# Allegro board Microroc_Hardroc2b_Test_Board.brd (continued)
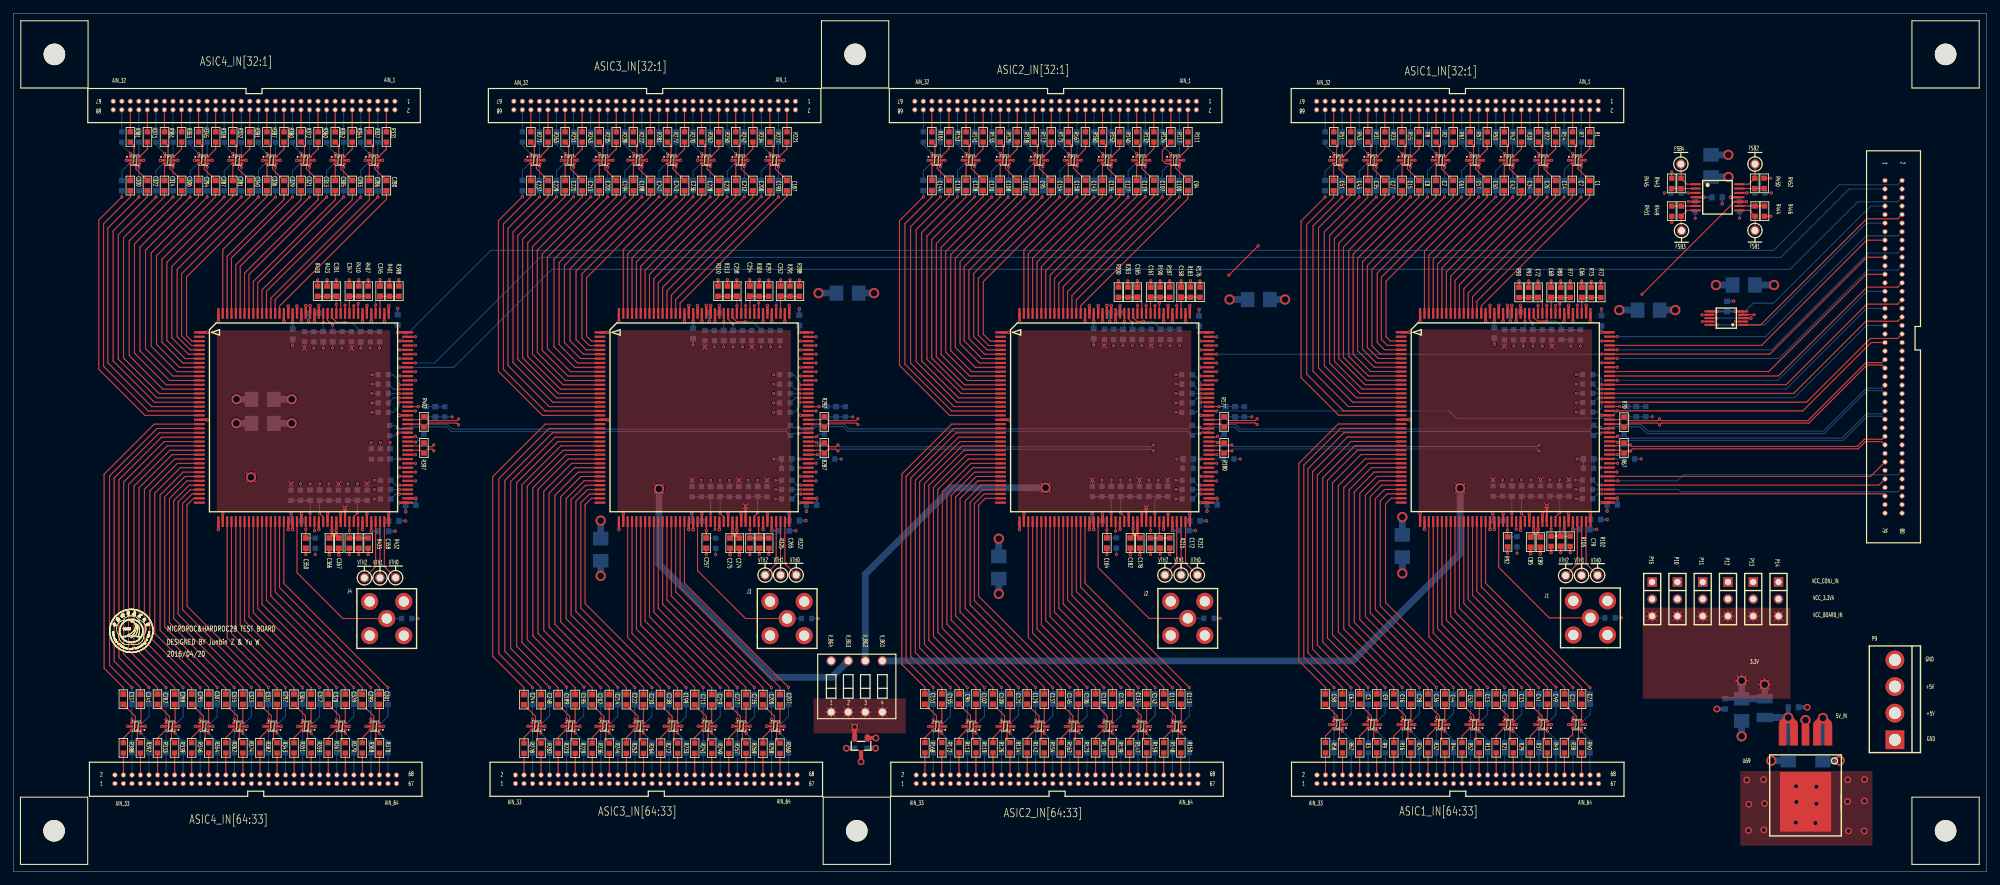
[diagram p0: board, top side]
## Routing (per net, layer and track width the routed paths; a pad name or vN(x,y) marks a point on that pad's centre or on a via; arc(x,y) is an arc through that point) (continued)
ESD_P35_ASIC3: length 6.3
  TOP w0.152: C248.1 78.5,24.83 U43.3 78.34,22.13 77.98,21.77 77.98,19.66 R282.2
ESD_P35_ASIC4: length 6.2
  TOP w0.152: C341.1 18.97,24.82 U60.3 18.81,22.11 18.44,21.75 18.44,19.63 R392.2
ESD_P36_ASIC1: length 7.3
  TOP w0.152: v1(197.79,20.88) U9.1
  BOTTOM w0.152: C64.1 199.06,23.42 197.79,22.15 v1(197.79,20.88) 199.06,19.61 R64.2
ESD_P36_ASIC2: length 7.3
  TOP w0.152: v1(138.15,20.6) U26.1
  BOTTOM w0.152: R174.2 139.42,19.33 v1(138.15,20.6) 138.15,21.87 139.42,23.14 C157.1
ESD_P36_ASIC3: length 7.3
  TOP w0.152: v1(78.5,20.6) U43.1
  BOTTOM w0.152: C250.1 79.78,23.19 78.5,21.91 v1(78.5,20.6) 79.78,19.32 R284.2
ESD_P36_ASIC4: length 7.2
  TOP w0.152: v1(18.97,20.6) U60.1
  BOTTOM w0.152: C343.1 20.17,23.09 18.97,21.89 v1(18.97,20.6) 20.17,19.4 R394.2
ESD_P37_ASIC1: length 7.3
  TOP w0.152: C3.1 202.08,23.17 202.08,21.74 201.73,21.39 U10.6 200.33,20.18 R3.2
ESD_P37_ASIC2: length 7.2
  TOP w0.152: C96.1 142.42,23.22 142.42,21.45 142.07,21.11 U27.6 140.72,19.95 R113.2
ESD_P37_ASIC3: length 7.2
  TOP w0.152: C189.1 82.78,23.11 82.78,21.51 82.4,21.13 U44.6 81.05,19.95 R223.2
ESD_P37_ASIC4: length 7.3
  TOP w0.152: R333.2 21.44,19.85 U61.6 22.87,21.11 23.22,21.46 23.22,23.11 C282.1
ESD_P38_ASIC1: length 6.3
  TOP w0.152: U10.4 201.6,22.45 v1(201.6,22.91)
  BOTTOM w0.152: C6.1 v1(201.6,22.91) R6.2
ESD_P38_ASIC2: length 6.2
  TOP w0.152: U27.4 141.96,22.2 v1(141.96,22.56)
  BOTTOM w0.152: C99.1 v1(141.96,22.56) R116.2
ESD_P38_ASIC3: length 6.3
  TOP w0.152: U44.4 82.32,22.22 v1(82.32,22.66)
  BOTTOM w0.152: R226.2 v1(82.32,22.66) C192.1
ESD_P38_ASIC4: length 6.2
  TOP w0.152: U61.4 22.71,22.12 v1(22.71,22.63)
  BOTTOM w0.152: C285.1 v1(22.71,22.63) R336.2
ESD_P39_ASIC1: length 6.2
  TOP w0.152: C9.1 202.88,22.39 U10.3 202.69,22.39 202.43,22.13 202.43,19.64 R9.2
ESD_P39_ASIC2: length 6.3
  TOP w0.152: R119.2 142.77,19.66 142.77,21.91 142.96,22.11 U27.3 143.23,22.12 C102.1
ESD_P39_ASIC3: length 6.3
  TOP w0.152: C195.1 83.58,24.83 U44.3 83.42,22.13 83.06,21.77 83.06,19.66 R229.2
ESD_P39_ASIC4: length 6.2
  TOP w0.152: C288.1 24.05,24.83 U61.3 23.89,22.11 23.52,21.74 23.52,19.63 R339.2
ESD_P40_ASIC1: length 7.3
  TOP w0.152: v1(202.88,20.88) U10.1
  BOTTOM w0.152: C12.1 204.14,23.55 202.88,22.29 v1(202.88,20.88) 204.14,19.62 R12.2
ESD_P40_ASIC2: length 7.3
  TOP w0.152: v1(143.22,20.6) U27.1
  BOTTOM w0.152: R122.2 144.5,19.32 v1(143.22,20.6) 143.22,21.84 144.5,23.11 C105.1
ESD_P40_ASIC3: length 7.3
  TOP w0.152: U44.1 83.59,21.13 v1(83.59,20.62)
  BOTTOM w0.152: R232.2 84.86,19.35 v1(83.59,20.62) 83.59,21.97 84.86,23.24 C198.1
ESD_P40_ASIC4: length 7.2
  TOP w0.152: v1(24.05,20.6) U61.1
  BOTTOM w0.152: C291.1 25.25,23.04 24.05,21.84 v1(24.05,20.6) 25.25,19.41 R342.2
ESD_P41_ASIC1: length 7.3
  TOP w0.152: R16.2 205.41,20.18 U11.6 206.82,21.39 207.16,21.73 207.16,23.16 C16.1
ESD_P41_ASIC2: length 7.3
  TOP w0.152: R126.2 145.77,19.93 U28.6 147.15,21.11 147.5,21.45 147.5,23.19 C109.1
ESD_P41_ASIC3: length 7.2
  TOP w0.152: C202.1 87.86,23.11 87.86,21.51 87.48,21.13 U45.6 86.13,19.95 R236.2
ESD_P41_ASIC4: length 7.2
  TOP w0.152: R346.2 26.52,19.93 U62.6 27.87,21.11 28.24,21.49 28.24,23.18 C295.1
ESD_P42_ASIC1: length 6.3
  TOP w0.152: v1(206.68,22.91) 206.68,22.45 U11.4
  BOTTOM w0.152: R20.2 v1(206.68,22.91) C20.1
ESD_P42_ASIC2: length 6.2
  TOP w0.152: v1(147.04,22.56) 147.04,22.2 U28.4
  BOTTOM w0.152: R130.2 v1(147.04,22.56) C117.1
ESD_P42_ASIC3: length 6.3
  TOP w0.152: v1(87.4,22.68) 87.4,22.22 U45.4
  BOTTOM w0.152: C210.1 v1(87.4,22.68) R240.2
ESD_P42_ASIC4: length 6.3
  TOP w0.152: v1(27.79,22.63) 27.79,22.2 U62.4
  BOTTOM w0.152: C303.1 v1(27.79,22.63) R350.2
ESD_P43_ASIC1: length 6.2
  TOP w0.152: C28.1 207.96,22.39 U11.3 207.77,22.39 207.51,22.13 207.51,19.64 R24.2
ESD_P43_ASIC2: length 6.2
  TOP w0.152: C121.1 148.31,22.12 U28.3 148.1,22.11 147.85,21.85 147.85,19.66 R134.2
ESD_P43_ASIC3: length 6.2
  TOP w0.152: C214.1 88.67,24.83 U45.3 88.5,22.13 88.16,21.79 88.16,19.63 R244.2
ESD_P43_ASIC4: length 6.3
  TOP w0.152: C307.1 29.06,24.89 U62.3 28.89,22.11 28.52,21.74 28.52,19.71 R354.2
ESD_P44_ASIC1: length 7.3
  TOP w0.152: v1(207.97,20.88) U11.1
  BOTTOM w0.152: R28.2 209.22,19.63 v1(207.97,20.88) 207.97,22.27 209.22,23.52 C32.1
ESD_P44_ASIC2: length 7.3
  TOP w0.152: v1(148.3,20.6) U28.1
  BOTTOM w0.152: C125.1 149.58,23.27 148.3,21.99 v1(148.3,20.6) 149.58,19.32 R138.2
ESD_P44_ASIC3: length 7.3
  TOP w0.152: v1(88.67,20.62) 88.67,21.13 U45.1
  BOTTOM w0.152: R248.2 89.94,19.35 v1(88.67,20.62) 88.67,21.87 89.94,23.14 C218.1
ESD_P44_ASIC4: length 7.3
  TOP w0.152: v1(29.06,20.6) 29.06,21.11 U62.1
  BOTTOM w0.152: C311.1 30.33,23.09 29.06,21.82 v1(29.06,20.6) 30.33,19.33 R358.2
ESD_P45_ASIC1: length 7.3
  TOP w0.152: R32.2 210.49,20.2 U12.6 211.87,21.39 212.22,21.73 212.22,23.17 C36.1
ESD_P45_ASIC2: length 7.3
  TOP w0.152: R142.2 150.86,19.91 U29.6 152.26,21.11 152.6,21.45 152.6,23.16 C129.1
ESD_P45_ASIC3: length 7.2
  TOP w0.152: C222.1 92.94,23.11 92.94,21.51 92.56,21.13 U46.6 91.21,19.95 R252.2
ESD_P45_ASIC4: length 7.2
  TOP w0.152: R362.2 31.6,19.93 U63.6 32.95,21.11 33.32,21.49 33.32,23.16 C315.1
ESD_P46_ASIC1: length 6.3
  TOP w0.152: U12.4 211.76,22.47 v1(211.76,22.91)
  BOTTOM w0.152: C40.1 v1(211.76,22.91) R36.2
ESD_P46_ASIC2: length 6.2
  TOP w0.152: U29.4 152.12,22.17 v1(152.12,22.56)
  BOTTOM w0.152: R146.2 v1(152.12,22.56) C133.1
ESD_P46_ASIC3: length 6.3
  TOP w0.152: v1(92.48,22.66) 92.48,22.22 U46.4
  BOTTOM w0.152: R256.2 v1(92.48,22.66) C226.1
ESD_P46_ASIC4: length 6.3
  TOP w0.152: v1(32.87,22.63) 32.87,22.2 U63.4
  BOTTOM w0.152: R366.2 v1(32.87,22.63) C319.1
ESD_P47_ASIC1: length 6.3
  TOP w0.152: C44.1 213.02,22.39 U12.3 212.83,22.39 212.5,22.06 212.5,19.74 R44.2
ESD_P47_ASIC2: length 6.2
  TOP w0.152: C137.1 153.4,22.12 U29.3 153.21,22.11 152.96,21.85 152.96,19.65 R154.2
ESD_P47_ASIC3: length 6.2
  TOP w0.152: C230.1 93.75,24.84 U46.3 93.58,22.13 93.24,21.79 93.24,19.63 R264.2
ESD_P47_ASIC4: length 6.3
  TOP w0.152: C323.1 34.13,24.89 U63.3 33.97,22.11 33.6,21.75 33.6,19.71 R374.2
ESD_P48_ASIC1: length 7.3
  TOP w0.152: v1(213.02,20.88) U12.1
  BOTTOM w0.152: C48.1 214.3,23.57 213.02,22.3 v1(213.02,20.88) 214.3,19.6 R48.2
ESD_P48_ASIC2: length 7.3
  TOP w0.152: v1(153.41,20.6) U29.1
  BOTTOM w0.152: C141.1 154.66,23.19 153.41,21.94 v1(153.41,20.6) 154.66,19.35 R158.2
ESD_P48_ASIC3: length 7.3
  TOP w0.152: v1(93.75,20.62) 93.75,21.13 U46.1
  BOTTOM w0.152: C234.1 95.02,23.14 93.75,21.87 v1(93.75,20.62) 95.02,19.35 R268.2
ESD_P48_ASIC4: length 7.3
  TOP w0.152: v1(34.13,20.6) U63.1
  BOTTOM w0.152: R378.2 35.41,19.33 v1(34.13,20.6) 34.13,21.84 35.41,23.11 C327.1
ESD_P49_ASIC1: length 7.3
  TOP w0.152: C52.1 217.32,23.17 217.32,21.75 216.96,21.39 U13.6 215.57,20.2 R52.2
ESD_P49_ASIC2: length 7.3
  TOP w0.152: C145.1 157.66,23.2 157.66,21.45 157.31,21.11 U30.6 155.94,19.93 R162.2
ESD_P49_ASIC3: length 7.2
  TOP w0.152: C238.1 98.02,23.11 98.02,21.51 97.64,21.13 U47.6 96.3,19.96 R272.2
ESD_P49_ASIC4: length 7.2
  TOP w0.152: R382.2 36.68,19.93 U64.6 38.06,21.11 38.38,21.44 38.38,23.19 C331.1
ESD_P50_ASIC1: length 6.3
  TOP w0.152: v1(216.84,22.91) 216.84,22.47 U13.4
  BOTTOM w0.152: C56.1 v1(216.84,22.91) R56.2
ESD_P50_ASIC2: length 6.2
  TOP w0.152: U30.4 157.2,22.19 v1(157.2,22.61)
  BOTTOM w0.152: R166.2 v1(157.2,22.61) C149.1
ESD_P50_ASIC3: length 6.3
  TOP w0.152: U47.4 97.56,22.22 v1(97.56,22.68)
  BOTTOM w0.152: R276.2 v1(97.56,22.68) C242.1
ESD_P50_ASIC4: length 6.2
  TOP w0.152: U64.4 37.95,22.2 v1(37.95,22.61)
  BOTTOM w0.152: C335.1 v1(37.95,22.61) R386.2
ESD_P51_ASIC1: length 6.2
  TOP w0.152: R13.2 217.65,19.66 217.65,22.13 217.91,22.39 U13.3 218.12,22.4 C13.1
ESD_P51_ASIC2: length 6.2
  TOP w0.152: C106.1 158.46,24.91 U30.3 158.27,22.11 158.01,21.85 158.01,19.66 R123.2
ESD_P51_ASIC3: length 6.3
  TOP w0.152: C199.1 98.83,24.84 U47.3 98.67,22.13 98.3,21.76 98.3,19.66 R233.2
ESD_P51_ASIC4: length 6.3
  TOP w0.152: R343.2 38.68,19.71 38.68,21.75 39.05,22.11 U64.3 39.21,24.88 C292.1
ESD_P52_ASIC1: length 7.3
  TOP w0.152: v1(218.11,20.88) U13.1
  BOTTOM w0.152: C17.1 219.38,23.42 218.11,22.15 v1(218.11,20.88) 219.38,19.61 R17.2
ESD_P52_ASIC2: length 7.2
  TOP w0.152: U30.1 158.57,21 v1(158.57,20.68)
  BOTTOM w0.152: C110.1 159.77,23.16 158.57,21.97 v1(158.57,20.68) 159.77,19.48 R127.2
ESD_P52_ASIC3: length 7.3
  TOP w0.152: U47.1 98.83,21.13 v1(98.83,20.62)
  BOTTOM w0.152: C203.1 100.1,23.06 98.83,21.79 v1(98.83,20.62) 100.1,19.35 R237.2
ESD_P52_ASIC4: length 7.3
  TOP w0.152: v1(39.22,20.6) 39.22,21.11 U64.1
  BOTTOM w0.152: C296.1 40.49,23.11 39.22,21.84 v1(39.22,20.6) 40.49,19.33 R347.2
ESD_P53_ASIC1: length 7.3
  TOP w0.152: C25.1 222.38,23.2 222.38,21.75 222.01,21.39 U14.6 220.65,20.22 R21.2
ESD_P53_ASIC2: length 7.2
  TOP w0.152: R131.2 161.04,19.95 U31.6 162.39,21.11 162.74,21.45 162.74,23.22 C118.1
ESD_P53_ASIC3: length 7.2
  TOP w0.152: C211.1 103.1,23.11 103.1,21.51 102.72,21.13 U48.6 101.37,19.95 R241.2
ESD_P53_ASIC4: length 7.2
  TOP w0.152: R351.2 41.76,19.93 U65.6 43.11,21.11 43.46,21.47 43.46,23.18 C304.1
ESD_P54_ASIC1: length 6.3
  TOP w0.152: U14.4 221.92,22.49 v1(221.92,22.91)
  BOTTOM w0.152: R25.2 v1(221.92,22.91) C29.1
ESD_P54_ASIC2: length 6.2
  TOP w0.152: U31.4 162.28,22.19 v1(162.28,22.53)
  BOTTOM w0.152: C122.1 v1(162.28,22.53) R135.2
ESD_P54_ASIC3: length 6.3
  TOP w0.152: U48.4 102.64,22.22 v1(102.64,22.66)
  BOTTOM w0.152: C215.1 v1(102.64,22.66) R245.2
ESD_P54_ASIC4: length 6.2
  TOP w0.152: U65.4 43.03,22.2 v1(43.03,22.53)
  BOTTOM w0.152: R355.2 v1(43.03,22.53) C308.1
ESD_P55_ASIC1: length 6.2
  TOP w0.152: R29.2 222.71,19.68 222.71,22.13 222.97,22.39 U14.3 223.19,22.41 C33.1
ESD_P55_ASIC2: length 6.2
  TOP w0.152: R139.2 163.09,19.66 163.09,21.85 163.35,22.11 U31.3 163.54,24.91 C126.1
ESD_P55_ASIC3: length 6.3
  TOP w0.152: C219.1 103.91,24.84 U48.3 103.74,22.13 103.38,21.77 103.38,19.66 R249.2
ESD_P55_ASIC4: length 6.3
  TOP w0.152: R359.2 43.76,19.71 43.76,21.75 44.13,22.11 U65.3 44.3,24.89 C312.1
ESD_P56_ASIC1: length 7.3
  TOP w0.152: v1(223.17,20.88) U14.1
  BOTTOM w0.152: R33.2 224.46,19.58 v1(223.17,20.88) 223.17,22.15 224.46,23.44 C37.1
ESD_P56_ASIC2: length 7.3
  TOP w0.152: v1(163.54,20.6) U31.1
  BOTTOM w0.152: R143.2 164.82,19.32 v1(163.54,20.6) 163.54,21.94 164.82,23.22 C130.1
ESD_P56_ASIC3: length 7.3
  TOP w0.152: U48.1 103.91,21.13 v1(103.91,20.62)
  BOTTOM w0.152: R253.2 105.18,19.35 v1(103.91,20.62) 103.91,21.84 105.18,23.11 C223.1
ESD_P56_ASIC4: length 7.3
  TOP w0.152: U65.1 44.3,21.11 v1(44.3,20.6)
  BOTTOM w0.152: R363.2 45.57,19.33 v1(44.3,20.6) 44.3,21.82 45.57,23.09 C316.1
ESD_P57_ASIC1: length 7.3
  TOP w0.152: R37.2 225.73,20.19 U15.6 227.12,21.39 227.48,21.75 227.48,23.15 C41.1
ESD_P57_ASIC2: length 7.2
  TOP w0.152: R147.2 166.1,19.93 U32.6 167.47,21.11 167.82,21.45 167.82,23.22 C134.1
ESD_P57_ASIC3: length 7.2
  TOP w0.152: R257.2 106.45,19.92 U49.6 107.83,21.13 108.18,21.49 108.18,23.13 C227.1
ESD_P57_ASIC4: length 7.2
  TOP w0.152: C320.1 48.54,23.19 48.54,21.47 48.19,21.11 U66.6 46.84,19.93 R367.2
ESD_P58_ASIC1: length 6.3
  TOP w0.152: U15.4 227,22.46 v1(227,22.91)
  BOTTOM w0.152: C45.1 v1(227,22.91) R45.2
ESD_P58_ASIC2: length 6.3
  TOP w0.152: U32.4 167.36,22.19 v1(167.36,22.61)
  BOTTOM w0.152: R155.2 v1(167.36,22.61) 167.36,24.89 C138.1
ESD_P58_ASIC3: length 6.3
  TOP w0.152: U49.4 107.72,22.19 v1(107.72,22.66)
  BOTTOM w0.152: R265.2 v1(107.72,22.66) C231.1
ESD_P58_ASIC4: length 6.3
  TOP w0.152: v1(48.06,22.61) 48.06,22.15 U66.4
  BOTTOM w0.152: R375.2 48.11,22.56 v1(48.06,22.61) 48.06,24.84 C324.1
ESD_P59_ASIC1: length 6.2
  TOP w0.152: R49.2 227.82,19.65 227.82,22.13 228.08,22.39 U15.3 228.28,22.39 C49.1
ESD_P59_ASIC2: length 6.2
  TOP w0.152: R159.2 168.17,19.67 168.17,21.85 168.43,22.11 U32.3 168.63,24.9 C142.1
ESD_P59_ASIC3: length 6.2
  TOP w0.152: R269.2 108.48,19.65 108.48,21.77 108.85,22.13 U49.3 109.01,24.83 C235.1
ESD_P59_ASIC4: length 6.3
  TOP w0.152: C328.1 49.38,24.89 U66.3 49.21,22.11 48.84,21.75 48.84,19.71 R379.2
ESD_P60_ASIC1: length 7.3
  TOP w0.152: v1(228.27,20.88) U15.1
  BOTTOM w0.152: R53.2 229.54,19.61 v1(228.27,20.88) 228.27,22.1 229.54,23.37 C53.1
ESD_P60_ASIC2: length 7.3
  TOP w0.152: v1(168.63,20.6) U32.1
  BOTTOM w0.152: R163.2 169.9,19.32 v1(168.63,20.6) 168.63,21.94 169.9,23.22 C146.1
ESD_P60_ASIC3: length 7.3
  TOP w0.152: U49.1 109.02,21.13 v1(109.02,20.62)
  BOTTOM w0.152: C239.1 110.26,23.04 109.02,21.79 v1(109.02,20.62) 110.26,19.38 R273.2
ESD_P60_ASIC4: length 7.3
  TOP w0.152: U66.1 49.38,21.11 v1(49.38,20.6)
  BOTTOM w0.152: R383.2 50.65,19.33 v1(49.38,20.6) 49.38,21.82 50.65,23.09 C332.1
ESD_P61_ASIC1: length 7.3
  TOP w0.152: R38.2 232.01,20.4 U16.6 232.2,21.39 232.56,21.74 232.56,23.17 C21.1
ESD_P61_ASIC2: length 7.3
  TOP w0.152: R148.2 171.18,19.85 U33.6 172.63,21.11 172.92,21.4 172.92,23.16 C111.1
ESD_P61_ASIC3: length 7.2
  TOP w0.152: C205.1 113.23,23.14 113.23,21.49 112.88,21.13 U50.6 111.53,19.95 R258.2
ESD_P61_ASIC4: length 7.2
  TOP w0.152: C299.1 53.62,23.15 53.62,21.47 53.27,21.11 U67.6 51.92,19.93 R368.2
ESD_P62_ASIC1: length 6.3
  TOP w0.152: U16.4 232.08,22.46 v1(232.08,22.91)
  BOTTOM w0.152: C22.1 v1(232.08,22.91) R39.2
ESD_P62_ASIC2: length 6.2
  TOP w0.152: v1(172.47,22.58) 172.47,22.14 U33.4
  BOTTOM w0.152: R149.2 v1(172.47,22.58) C112.1
ESD_P62_ASIC3: length 6.3
  TOP w0.152: v1(112.8,22.66) 112.8,22.22 U50.4
  BOTTOM w0.152: C206.1 v1(112.8,22.66) R259.2
ESD_P62_ASIC4: length 6.3
  TOP w0.152: U67.4 53.19,22.2 v1(53.19,22.68)
  BOTTOM w0.152: C300.1 v1(53.19,22.68) R369.2
ESD_P63_ASIC1: length 6.2
  TOP w0.152: R40.2 232.9,19.65 232.9,22.13 233.16,22.39 U16.3 233.36,22.39 C23.1
ESD_P63_ASIC2: length 6.2
  TOP w0.152: C113.1 173.78,24.85 U33.3 173.58,22.11 173.33,21.85 173.33,19.59 R150.2
ESD_P63_ASIC3: length 6.2
  TOP w0.152: R260.2 113.56,19.63 113.56,21.79 113.91,22.13 U50.3 114.07,24.84 C207.1
ESD_P63_ASIC4: length 6.3
  TOP w0.152: R370.2 53.92,19.71 53.92,21.75 54.29,22.11 U67.3 54.46,24.88 C301.1
ESD_P64_ASIC1: length 7.3
  TOP w0.152: v1(233.36,20.85) U16.1
  BOTTOM w0.152: C24.1 234.62,23.42 233.36,22.16 v1(233.36,20.85) 234.62,19.59 R41.2
ESD_P64_ASIC2: length 7.2
  TOP w0.152: v1(173.78,20.6) U33.1
  BOTTOM w0.152: C114.1 174.98,23.14 173.78,21.94 v1(173.78,20.6) 174.98,19.4 R151.2
ESD_P64_ASIC3: length 7.3
  TOP w0.152: U50.1 114.07,21.13 v1(114.07,20.62)
  BOTTOM w0.152: R261.2 115.34,19.35 v1(114.07,20.62) 114.07,21.84 115.34,23.11 C208.1
ESD_P64_ASIC4: length 7.3
  TOP w0.152: v1(54.46,20.6) 54.46,21.11 U67.1
  BOTTOM w0.152: R371.2 55.73,19.33 v1(54.46,20.6) 54.46,21.84 55.73,23.11 C302.1
HOLD: length 234.2
  TOP w0.152: U17.119 v1(238.66,79.64) ; v1(119.43,79.62) U51.119 ; v1(59.83,79.62) U68.119 ; v1(179.05,79.62) U34.119
  SIG w0.152: v1(59.83,79.62) v1(119.43,79.62) 122.45,79.62 123.55,80.73 146.96,80.73 146.97,80.72 147.77,80.72 147.78,80.73 177.94,80.73 v1(179.05,79.62) 187.22,79.62 188.39,80.8 237.5,80.8 v1(238.66,79.64)
  BOTTOM w0.152: U71.14 280.42,94.64 275.72,94.64 260.72,79.64 v1(238.66,79.64)
HOLDB: length 246
  TOP w0.152: U17.63 v1(223.63,50.96) ; U68.63 v1(44.8,50.75) ; U34.63 v1(164.02,50.7) ; v1(104.4,50.94) U51.63
  SIG w0.152: v1(44.8,50.75) 46.42,49.12 102.58,49.12 v1(104.4,50.94) 105.15,51.69 163.03,51.69 v1(164.02,50.7) 165.06,49.66 222.33,49.66 v1(223.63,50.96) 224.41,51.74 278.16,51.74 U71.78
IB_OTAG_ASIC1: length 5.2
  TOP w0.152: R77.2 R80.1 C68.2 228.83,85.47 U17.130
IB_OTAG_ASIC2: length 5.2
  TOP w0.152: U34.130 169.22,85.48 C161.2 R190.1 R187.2
IB_OTAG_ASIC3: length 5.4
  TOP w0.152: R297.2 R300.1 C254.2 109.6,85.64 U51.130
IB_OTAG_ASIC4: length 5.3
  TOP w0.152: R407.2 R410.1 C347.2 50,85.64 U68.130
IB_REC_ASIC1: length 7.1
  TOP w0.152: v1(236.35,61.44) U17.91
  BOTTOM w0.152: R66.1 C65.2 236.34,61.43 v1(236.35,61.44) 239.72,61.44 R65.2
IB_REC_ASIC2: length 7.1
  TOP w0.152: U34.91 v1(176.73,61.42)
  BOTTOM w0.152: R179.1 C159.2 176.73,61.42 v1(176.73,61.42) 176.74,61.42 R175.2
IB_REC_ASIC3: length 7.5
  TOP w0.152: U51.91 v1(117.06,61.42)
  BOTTOM w0.152: R285.2 117.07,61.42 v1(117.06,61.42) 115.83,61.42 C251.2 R286.1
IB_REC_ASIC4: length 5.4
  TOP w0.152: U68.91 v1(57.52,61.42)
  BOTTOM w0.152: v1(57.52,61.42) 56.04,61.42 C344.2 R396.1 R395.2
IB_W_ASIC1: length 5.2
  TOP w0.152: U17.133 v1(226.88,84.27)
  BOTTOM w0.152: v1(226.88,84.27) 226.88,85.47 C77.2 R100.1 R96.2
IB_W_ASIC2: length 5.2
  TOP w0.152: U34.133 v1(167.27,84.25)
  BOTTOM w0.152: v1(167.27,84.25) 167.27,85.49 C169.2 R210.1 R206.2
IB_W_ASIC3: length 5.3
  TOP w0.152: U51.133 v1(107.65,84.25)
  BOTTOM w0.152: v1(107.65,84.25) 107.65,85.64 C262.2 R320.1 R316.2
IB_W_ASIC4: length 5.3
  TOP w0.152: U68.133 v1(48.05,84.44)
  BOTTOM w0.152: R426.2 R429.1 C354.2 48.05,85.64 v1(48.05,84.44)
IBI_D_ASIC1: length 5.4
  TOP w0.152: U17.124 v1(232.73,84.27)
  BOTTOM w0.152: R71.2 R75.1 C67.2 232.73,84.82 v1(232.73,84.27)
IBI_D_ASIC2: length 5.5
  TOP w0.152: U34.124 v1(173.12,84.25)
  BOTTOM w0.152: v1(173.12,84.25) 173.12,84.85 C160.2 R185.1 R178.2
IBI_D_ASIC3: length 5.6
  TOP w0.152: U51.124 v1(113.5,84.25)
  BOTTOM w0.152: v1(113.5,84.25) 113.5,84.98 C253.2 R295.1 R294.2
IBI_D_ASIC4: length 5.6
  TOP w0.152: U68.124 v1(53.9,84.35)
  BOTTOM w0.152: R404.2 R405.1 C346.2 53.9,84.99 v1(53.9,84.35)
IBI_FSB_ASIC1: length 5.5
  TOP w0.152: R90.2 R93.1 C72.2 227.53,84.83 U17.132
IBI_FSB_ASIC2: length 5.5
  TOP w0.152: R200.2 R203.1 C165.2 167.92,84.83 U34.132
IBI_FSB_ASIC3: length 5.6
  TOP w0.152: U51.132 108.3,84.99 C258.2 R313.1 R310.2
IBI_FSB_ASIC4: length 5.6
  TOP w0.152: R420.2 R423.1 C351.2 48.7,85.01 U68.132
IBI_OTABG_ASIC1: length 5.1
  TOP w0.152: U17.73 230.13,50.06 C79.2 ; R102.2 C79.2 ; C79.2 R105.1
IBI_OTABG_ASIC2: length 5.3
  TOP w0.152: R215.1 C172.2 ; C172.2 R212.2 ; C172.2 170.52,49.81 U34.73
IBI_OTABG_ASIC3: length 5.3
  TOP w0.152: R322.2 C265.2 ; C265.2 110.9,49.77 U51.73 ; C265.2 R325.1
IBI_OTABG_ASIC4: length 5.3
  TOP w0.152: R432.2 C358.2 ; C358.2 R435.1 ; C358.2 51.3,49.74 U68.73
IBI_OTADAC_ASIC1: length 5
  TOP w0.152: U17.71 v1(228.83,50.96)
  BOTTOM w0.152: R95.2 C76.2 R99.1 228.83,50.95 v1(228.83,50.96)
IBI_OTADAC_ASIC2: length 5.3
  TOP w0.152: U34.71 v1(169.22,50.8)
  BOTTOM w0.152: v1(169.22,50.8) 169.22,49.68 C168.2 R208.1 R205.2
IBI_OTADAC_ASIC3: length 5.2
  TOP w0.152: U51.71 v1(109.6,50.82)
  BOTTOM w0.152: v1(109.6,50.82) 109.6,49.66 C263.2 R319.1 R315.2
IBI_OTADAC_ASIC4: length 5.2
  TOP w0.152: U68.71 v1(50,50.77)
  BOTTOM w0.152: v1(50,50.77) 50,49.67 C356.2 R428.1 R425.2
IBI_PA_ASIC1: length 8.6
  TOP w0.152: v1(228.17,81.96) 226.78,81.96 226.23,82.51 U17.134
  BOTTOM w0.152: R103.2 R106.1 C80.2 230.35,81.18 229.57,81.96 v1(228.17,81.96)
IBI_PA_ASIC2: length 8.2
  TOP w0.152: U34.134 166.62,82.46 167.16,81.92 v1(168.17,81.92)
  BOTTOM w0.152: v1(168.17,81.92) 169.54,81.92 C173.2 R216.1 R213.2
IBI_PA_ASIC3: length 8.5
  TOP w0.152: U51.134 107,82.5 107.63,81.86 v1(108.92,81.86)
  BOTTOM w0.152: R323.2 R326.1 C266.2 109.98,81.86 v1(108.92,81.86)
IBI_PA_ASIC4: length 8.6
  TOP w0.152: U68.134 47.4,82.5 48.13,81.76 v1(49.3,81.76)
  BOTTOM w0.152: R433.2 R436.1 C359.2 50.32,81.76 v1(49.3,81.76)
IBO_D_ASIC1: length 5.2
  TOP w0.152: R72.2 R73.1 C66.2 233.39,84.84 233.38,84.83 U17.123
IBO_D_ASIC2: length 5.2
  TOP w0.152: R176.2 R183.1 C158.2 173.77,85.48 U34.123
IBO_D_ASIC3: length 5.4
  TOP w0.152: U51.123 114.15,85.64 C252.2 R291.1 R288.2
IBO_D_ASIC4: length 5.4
  TOP w0.152: R398.2 R401.1 C345.2 54.55,85.64 U68.123
IBO_FSB_ASIC1: length 5.5
  TOP w0.152: U17.131 v1(228.18,84.27)
  BOTTOM w0.152: R82.2 R85.1 C69.2 228.18,84.82 v1(228.18,84.27)
IBO_FSB_ASIC2: length 5.5
  TOP w0.152: U34.131 v1(168.57,84.25)
  BOTTOM w0.152: R192.2 R195.1 C162.2 168.57,84.82 v1(168.57,84.25)
IBO_FSB_ASIC3: length 5.6
  TOP w0.152: U51.131 v1(108.95,84.25)
  BOTTOM w0.152: R302.2 R305.1 C255.2 108.95,85.03 v1(108.95,84.25)
IBO_FSB_ASIC4: length 5.6
  TOP w0.152: U68.131 v1(49.35,84.3)
  BOTTOM w0.152: v1(49.35,84.3) 49.35,85.01 C348.2 R415.1 R412.2
IREF_DAC_ASIC1: length 6.9
  TOP w0.152: v1(230.1,53.42) 229.48,52.79 U17.72
  BOTTOM w0.152: R109.2 C93.2 ; C93.2 230.1,55.85 v1(230.1,53.42) ; C93.2 R110.1
IREF_DAC_ASIC2: length 6.7
  TOP w0.152: U34.72 v1(169.87,53.25)
  BOTTOM w0.152: v1(169.87,53.25) 169.87,55.34 R220.1 ; R220.1 R219.2 ; R220.1 C186.2
IREF_DAC_ASIC3: length 6.7
  TOP w0.152: v1(110.74,53.42) 110.25,52.92 U51.72
  BOTTOM w0.152: R329.2 C279.2 ; C279.2 R330.1 ; C279.2 v1(110.74,53.42)
IREF_DAC_ASIC4: length 6.2
  TOP w0.152: U68.72 50.65,52.86 v1(51.18,53.39)
  BOTTOM w0.152: v1(51.18,53.39) C372.2 ; C372.2 R440.1 ; C372.2 R439.2
N117243_ASIC1: length 5.4
  TOP w0.152: U17.103 v1(239.01,69.24)
  BOTTOM w0.152: R98.2 C74.1 C73.1 240.09,69.24 v1(239.01,69.24)
N117243_ASIC2: length 5.3
  TOP w0.152: U34.103 v1(179.4,69.22)
  BOTTOM w0.152: R209.2 C170.1 C166.1 179.41,69.22 v1(179.4,69.22)
N117243_ASIC3: length 5.5
  TOP w0.152: U51.103 v1(119.86,69.22)
  BOTTOM w0.152: R318.2 C259.1 C260.1 120.97,69.22 v1(119.86,69.22)
N117243_ASIC4: length 5.5
  TOP w0.152: U68.103 v1(60.22,69.22)
  BOTTOM w0.152: R430.2 C352.1 C355.1 61.38,69.22 v1(60.22,69.22)
N119966_ASIC1: length 25.7
  TOP w0.152: U17.59 221.03,45.29 228.55,37.77 J1.1
  BOTTOM w0.152: R74.2 J1.1
N119966_ASIC2: length 25.7
  TOP w0.152: U34.59 161.42,45.26 168.99,37.69 J2.1
  BOTTOM w0.152: R184.2 J2.1
N119966_ASIC3: length 25.7
  TOP w0.152: J3.1 108.94,37.67 101.8,44.81 U51.59
  BOTTOM w0.152: R293.2 J3.1
N119966_ASIC4: length 26
  TOP w0.152: J4.1 49.02,37.67 42.2,44.49 U68.59
  BOTTOM w0.152: R403.2 J4.1
OUT_FSB1: length 36.5
  TOP w0.152: v1(242.34,85.95) 256.13,99.74 U73.10 v1(257.91,99.74) ; U17.128 v1(230.13,84.53)
  SIG w0.152: v1(242.34,85.95) 231.55,85.95 v1(230.13,84.53)
  BOTTOM w0.152: R442.2 256.87,99.74 v1(257.91,99.74)
OUT_FSB2: length 98
  TOP w0.152: U34.128 v1(170.52,84.58) ; U73.12 v1(257.94,101.04) ; v1(185.24,93.17) v1(180.87,88.8)
  SIG w0.152: v1(180.87,88.8) 178.46,86.39 172.32,86.39 v1(170.52,84.58) ; v1(257.94,101.04) 250.06,93.17 v1(185.24,93.17)
  BOTTOM w0.152: v1(257.94,101.04) R448.2
OUT_FSB3: length 148.2
  TOP w0.152: U51.128 v1(110.9,84.66) ; U73.5 v1(249.26,99.74)
  SIG w0.152: v1(249.26,99.74) 244.16,94.64 125.02,94.64 116.23,85.85 112.1,85.85 v1(110.9,84.66)
  BOTTOM w0.152: v1(249.26,99.74) 250.26,99.74 R447.2
OUT_FSB4: length 208.4
  TOP w0.152: U68.128 v1(51.3,84.58) ; U73.3 v1(249.23,101.04)
  SIG w0.152: v1(51.3,84.58) 52.95,86.23 100.23,86.23 112.04,98.04 246.23,98.04 v1(249.23,101.04)
  BOTTOM w0.152: v1(249.23,101.04) R441.2
OUT_Q: length 33
  TOP w0.152: U72.8 v1(253.47,82.4)
  BOTTOM w0.152: U71.7 276.38,99.09 261.92,84.63 258.9,84.63 256.67,82.4 v1(253.47,82.4)
OUT_Q1: length 32.2
  TOP w0.152: U17.129 v1(229.48,84.27) ; v1(256.29,81.9) U72.2
  SIG w0.152: v1(256.29,81.9) 255.03,80.64 239.29,80.64 238.63,81.31 230.58,81.31 229.48,82.41 v1(229.48,84.27)
OUT_Q2: length 90.2
  TOP w0.152: v1(251.32,81.9) U72.9 ; U34.129 v1(169.87,84.25)
  SIG w0.152: v1(169.87,84.25) 169.87,83.58 170.59,82.85 204.44,82.85 210.62,89.03 244.19,89.03 v1(251.32,81.9)
OUT_Q3: length 159.4
  TOP w0.152: v1(259.03,82.91) 257.4,82.91 U72.4 ; U51.129 v1(110.25,84.25)
  SIG w0.152: v1(259.03,82.91) 255.42,82.91 246.71,91.62 128.4,91.62 119.61,82.83 111.68,82.83 v1(110.25,84.25)
OUT_Q4: length 212.4
  TOP w0.152: U68.129 v1(50.65,84.25) ; U72.7 v1(251.28,82.9)
  SIG w0.152: v1(251.28,82.9) 244.03,90.14 128.73,90.14 119.41,80.82 51.94,80.82 50.65,82.12 v1(50.65,84.25)
OUT_TRIG0B: length 235.3
  TOP w0.152: U68.85 v1(57.44,57.52) ; U51.85 v1(117.15,57.52) ; v1(236.35,57.54) U17.85 277.61,57.54 U71.71 ; U34.85 v1(176.73,57.52)
  SIG w0.152: v1(57.44,57.52) 63.89,57.52 65.48,55.93 113.79,55.93 115.38,57.52 v1(117.15,57.52) 129.88,57.52 131.42,55.98 173.84,55.98 175.38,57.52 v1(176.73,57.52) 187.41,57.52 188.98,55.96 233.53,55.96 235.11,57.54 v1(236.35,57.54)
  BOTTOM w0.152: v1(57.44,57.52) 56.9,57.52 R409.2 ; v1(236.35,57.54) 235.75,57.54 R79.2 ; v1(117.15,57.52) 116.59,57.52 R299.2 ; v1(176.73,57.52) 176.21,57.52 R189.2
OUT_TRIG1B: length 238.6
  TOP w0.152: U17.84 v1(236.35,56.89) ; U68.84 v1(57.43,56.87) ; U51.84 v1(117.15,56.87) ; U34.84 v1(176.73,56.87)
  SIG w0.152: v1(57.43,56.87) 63.37,56.87 65.3,54.94 113.89,54.94 115.83,56.87 v1(117.15,56.87) 129.28,56.87 131.19,54.97 173.94,54.97 175.85,56.87 v1(176.73,56.87) 186.76,56.87 188.65,54.99 233.86,54.99 235.76,56.89 v1(236.35,56.89)
  BOTTOM w0.152: v1(176.73,56.87) 175.47,56.87 R188.1 ; R78.1 235.01,56.89 v1(236.35,56.89) 247.73,56.89 248.08,56.54 280.42,56.54 U71.74 ; v1(117.15,56.87) 115.85,56.87 R298.1 ; v1(57.43,56.87) 56.16,56.87 R408.1
OUT_TRIG2B: length 238
  TOP w0.152: U51.83 v1(117.18,56.22) ; U68.83 v1(57.44,56.22) ; U34.83 v1(176.73,56.22) ; U71.75 278.18,56.24 U17.83 v1(236.35,56.24)
  SIG w0.152: v1(236.35,56.24) 234.11,54 187.63,54 185.41,56.22 v1(176.73,56.22) 176.19,56.22 172.44,52.48 132.28,52.48 128.54,56.22 v1(117.18,56.22) 116.24,56.22 113.97,53.95 65.23,53.95 62.95,56.22 v1(57.44,56.22)
  BOTTOM w0.152: v1(176.73,56.22) 176.21,56.22 R186.2 ; v1(57.44,56.22) 56.91,56.22 R406.2 ; v1(117.18,56.22) 116.6,56.22 R296.2 ; v1(236.35,56.24) 235.74,56.24 R76.2
